# Altium PCB Evaluation Board.PcbDoc (part 6 of 22) (continued)
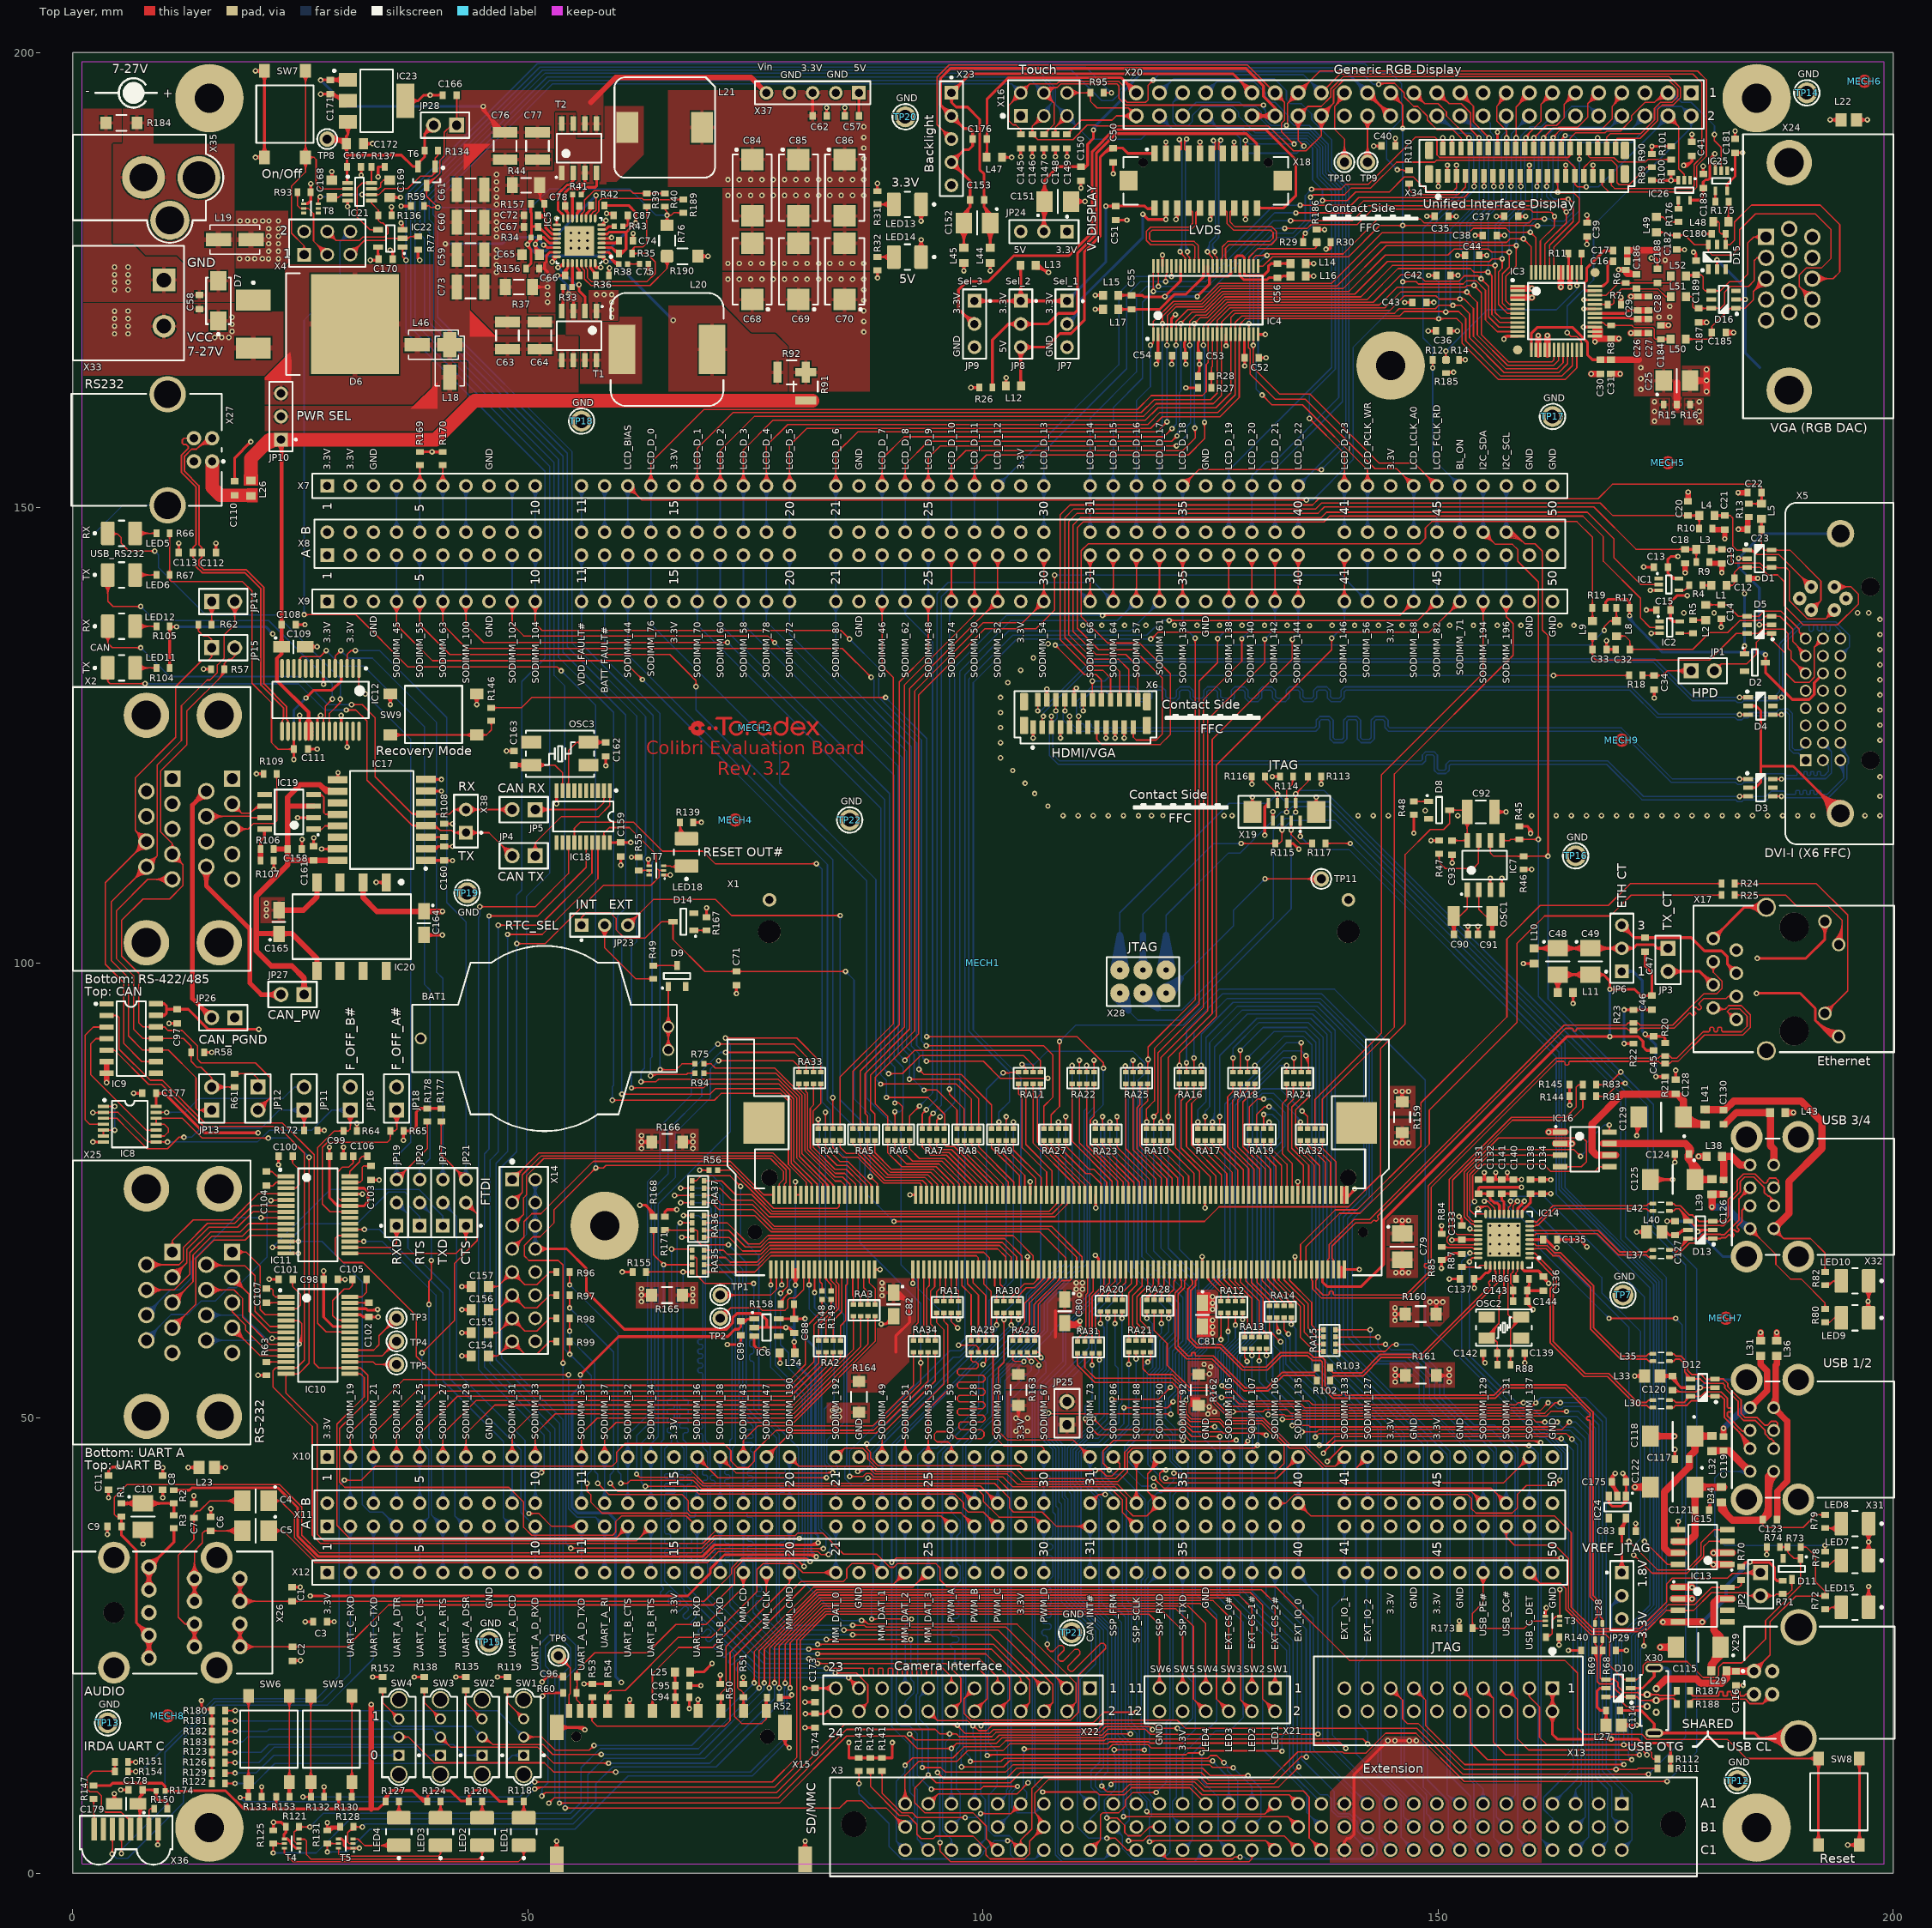
[diagram p0: Top Layer view]
## Nets (pads, with @x,y where several pads share a name; then routed paths per layer and width w, separated by ;. In a path a pad name is that pad's centre, name@x,y a point inside that pad or via, vN(x,y) a via of type N, cw(c..) or ccw(c..) an arc to the next point about the centre after c; other vN are vias at no path point) (continued)
DATA_8: RA14.8 X3.A4 | length 95.3
  Top Layer w0.15: RA14.8@131.334,60.908 cw(c131.036,60.609) 131.458,60.609 cw(c131.88,60.609) RA14.8@131.582,60.908 ; RA14.8@131.458,61.032 131.458,59.592 132.675,58.375 v1(132.7,58.375) ; 132.273,58.777 ccw(c132.7,59.204) v1@132.7,58.6 ; 132.334,58.716 cw(c131.992,58.375) v1@132.475,58.375 ; v1(136.5,47.904) 136.87,48.275 164.1,48.275 v1(164.699,47.676) ; v1@164.474,47.676 ccw(c163.931,47.676) 164.315,48.06 ccw(c164.699,48.444) v1@164.699,47.901
  Bottom Layer w0.15: v1(132.7,58.375) 132.966,58.109 132.966,55.259 136.5,51.725 v1(136.5,47.904) ; v1@136.341,48.063 ccw(c135.956,48.448) 136.5,48.448 ccw(c137.043,48.448) v1@136.659,48.063 ; X3.A4@162.56,7.62 165.3,10.36 165.3,47.075 v1(164.699,47.676) ; X3.A4@162.56,7.995 ccw(c162.56,8.9) 163.2,8.26 ccw(c163.84,7.62) X3.A4@162.935,7.62 ; X3.A4@162.56,8.145 ccw(c162.56,9.412) 163.456,8.516 ccw(c164.352,7.62) X3.A4@163.085,7.62 ; X3.A4@162.56,8.295 ccw(c162.56,9.925) 163.712,8.772 ccw(c164.865,7.62) X3.A4@163.235,7.62 ; v1@164.699,47.451 cw(c164.699,46.908) 165.083,47.292 cw(c165.467,47.676) v1@164.924,47.676
DATA_9: RA14.7 X3.B4 | length 97.2
  Top Layer w0.15: RA14.7@132.134,60.908 cw(c131.836,60.609) 132.258,60.609 cw(c132.68,60.609) RA14.7@132.382,60.908 ; 132.258,59.818 ccw(c132.818,59.818) v1@132.422,59.422 ; 132.258,60.18 ccw(c133.18,60.18) v1@132.528,59.528 ; 132.258,60.542 ccw(c133.542,60.542) v1@132.634,59.634 ; RA14.7@132.258,61.032 132.258,59.692 ; v1@132.275,59.579 ccw(c132.19,59.624) 132.258,59.692 ; v1@132.371,59.675 cw(c132.326,59.76) 132.258,59.692 ; v1(132.475,59.475) 132.258,59.692 ; v1(136.94,47.015) 137.65,47.015 138.61,47.975 162.125,47.975 162.375,47.725 v1(163.525,47.725) ; v1@137.099,46.856 cw(c137.483,46.472) 137.483,47.015 cw(c137.483,47.559) v1@137.099,47.174 ; v1@163.366,47.566 ccw(c162.982,47.182) 162.982,47.725 ccw(c162.982,48.268) v1@163.366,47.884
  Bottom Layer w0.15: v1@132.475,59.25 cw(c132.475,58.707) 132.859,59.091 cw(c133.243,59.475) v1@132.7,59.475 ; v1(132.475,59.475) 133.266,58.684 133.266,55.934 137.338,51.862 137.338,47.413 v1(136.94,47.015) ; v1@136.94,47.24 ccw(c136.94,47.784) 137.324,47.4 ccw(c137.708,47.015) v1@137.165,47.015 ; X3.B4@162.328,5.714 ccw(c162.207,6.045) 162.56,6.045 ; X3.B4@162.38,5.573 ccw(c162.286,5.831) 162.56,5.831 ccw(c162.834,5.831) X3.B4@162.74,5.573 ; X3.B4@162.56,5.08 162.56,6.045 ; X3.B4@162.792,5.714 cw(c162.913,6.045) 162.56,6.045 ; v1@163.525,47.5 cw(c163.525,46.957) 163.909,47.341 cw(c164.293,47.725) v1@163.75,47.725 ; v1(163.525,47.725) 164.85,46.4 164.85,11.601 161.585,8.336 161.585,7.02 162.56,6.045
DATA_10: RA14.6 X3.C4 | length 100.6
  Top Layer w0.15: RA14.6@132.934,60.908 cw(c132.636,60.609) 133.058,60.609 cw(c133.48,60.609) RA14.6@133.182,60.908 ; RA14.6@133.058,61.032 133.058,59.715 133.548,59.225 v1(133.55,59.225) ; 133.163,59.61 ccw(c133.55,59.997) v1@133.55,59.45 ; 133.167,59.606 cw(c132.786,59.225) v1@133.325,59.225 ; v1@137.312,46.126 138.676,47.49 161.07,47.49 v1(161.265,47.295) ; v1@137.38,46.351 ccw(c137.38,46.731) 137.649,46.463 ; v1@137.455,46.126 cw(c137.8,46.126) 137.556,46.37 ; v1@137.605,46.126 cw(c138.312,46.126) 137.812,46.626 ; 160.251,47.49 cw(c160.251,46.281) v1@161.106,47.136 ; 160.613,47.49 cw(c160.613,46.643) v1@161.212,47.242 ; 160.975,47.49 cw(c160.975,47.006) v1@161.318,47.348
  Bottom Layer w0.15: v1@133.391,59.066 cw(c132.584,58.259) 133.725,58.259 ; v1@133.497,59.172 cw(c132.946,58.621) 133.725,58.621 ; v1(133.55,59.225) 133.725,59.05 133.725,56.275 137.719,52.281 137.719,46.533 ; v1@137.312,46.126 137.719,46.533 ; v1@137.38,46.351 ccw(c137.38,46.731) 137.649,46.463 ; v1@137.602,46.165 cw(c138.016,46.236) 137.719,46.533 ; v1@161.106,47.136 cw(c160.648,46.678) 161.295,46.678 ; v1(161.265,47.295) 161.295,47.264 161.295,8.471 161.285,8.461 161.285,3.815 X3.C4@162.56,2.54 ; 161.295,46.825 cw(c161.734,46.825) v1@161.424,47.136 ; X3.C4@161.885,2.54 ccw(c160.255,2.54) 161.408,3.692 ccw(c162.56,4.845) X3.C4@162.56,3.215 ; X3.C4@162.035,2.54 ccw(c160.768,2.54) 161.664,3.436 ccw(c162.56,4.332) X3.C4@162.56,3.065 ; X3.C4@162.185,2.54 ccw(c161.28,2.54) 161.92,3.18 ccw(c162.56,3.82) X3.C4@162.56,2.915
  other v1: 137.38,46.126
DATA_11: RA14.5 X3.A5 | length 91.2
  Top Layer w0.15: RA14.5@133.734,60.908 cw(c133.436,60.609) 133.858,60.609 cw(c134.28,60.609) RA14.5@133.982,60.908 ; v1(133.858,60.3) RA14.5@133.858,61.032 ; v1(137.82,45.237) 137.82,45.23 137.831,45.23 139.566,46.965 v1(159.969,46.965) ; v1@137.82,45.462 ccw(c137.82,46.049) 138.235,45.634 ; v1@138.045,45.237 cw(c138.545,45.237) 138.192,45.591 ; v1@159.81,46.806 ccw(c159.426,46.421) 159.426,46.965 ccw(c159.426,47.508) v1@159.81,47.124
  Bottom Layer w0.15: v1@133.858,60.075 cw(c133.858,59.531) 134.242,59.915 cw(c134.626,60.3) v1@134.083,60.3 ; v1(133.858,60.3) 134.366,59.792 134.366,56.334 138.633,52.067 138.633,46.05 v1(137.82,45.237) ; v1@137.82,45.462 ccw(c137.82,46.006) 138.205,45.622 ccw(c138.589,45.237) v1@138.045,45.237 ; v1@159.969,46.74 cw(c159.969,45.75) 160.669,46.45 ; v1@159.969,46.89 cw(c159.969,46.262) 160.413,46.706 ; v1(159.969,46.965) 160.154,46.965 160.995,46.124 160.995,8.595 ; X3.A5@160.02,7.62 160.995,8.595 ; X3.A5@160.067,7.992 ccw(c160.141,8.583) 160.561,8.162 ; X3.A5@160.085,8.141 ccw(c160.189,8.968) 160.778,8.379 ccw(c161.367,7.79) X3.A5@160.541,7.686 ; X3.A5@160.104,8.29 ccw(c160.237,9.353) 160.995,8.595 ; X3.A5@160.392,7.667 cw(c160.983,7.741) 160.562,8.162 ; X3.A5@160.69,7.704 cw(c161.752,7.838) 160.995,8.595
DATA_12: RA15.8 X3.C5 | length 79.1
  Top Layer w0.15: RA15.8@138.714,57.315 138.718,57.319 144.193,57.319 144.949,58.075 ; RA15.8@138.838,57.191 cw(c139.146,56.883) 139.146,57.319 ; RA15.8@138.838,57.439 ccw(c139.127,57.728) 139.127,57.319 ; v1@145.22,57.94 ccw(c144.949,57.735) 144.949,58.075 ; v1@145.22,58.21 cw(c144.949,58.415) 144.949,58.075 ; v1(145.4,58.075) 144.949,58.075
  Bottom Layer w0.15: v1(145.4,58.075) 147.2,58.075 150.632,54.643 150.632,52.543 153.95,49.225 156.185,49.225 158.755,46.655 158.755,45.192 158.75,45.187 158.75,41.173 158.755,41.168 158.755,40.112 158.75,40.107 158.75,38.633 158.755,38.628 158.755,37.572 158.75,37.567 158.75,33.553 158.755,33.548 158.755,32.492 158.75,32.487 158.75,20.853 158.755,20.848 158.755,19.792 158.75,19.787 158.75,18.313 158.755,18.308 158.755,17.252 158.75,17.247 158.75,3.81 X3.C5@160.02,2.54 ; v1@145.559,57.916 cw(c145.943,57.532) 145.943,58.075 cw(c145.943,58.618) v1@145.559,58.234 ; X3.C5@159.345,2.54 ccw(c157.715,2.54) 158.868,3.692 ccw(c160.02,4.845) X3.C5@160.02,3.215 ; X3.C5@159.495,2.54 ccw(c158.228,2.54) 159.124,3.436 ccw(c160.02,4.332) X3.C5@160.02,3.065 ; X3.C5@159.645,2.54 ccw(c158.74,2.54) 159.38,3.18 ccw(c160.02,3.82) X3.C5@160.02,2.915
DATA_13: RA15.7 X3.A6 | length 71.7
  Top Layer w0.15: RA15.7@138.714,58.09 v1(144.221,58.09) ; RA15.7@138.838,57.941 cw(c139.197,57.582) 139.197,58.09 ; RA15.7@138.838,58.189 ccw(c139.076,58.427) 139.076,58.09 ; v1@144.062,57.931 ccw(c143.678,57.547) 143.678,58.09 ccw(c143.678,58.633) v1@144.062,58.249
  Bottom Layer w0.15: v1@144.221,57.865 cw(c144.221,57.322) 144.605,57.706 cw(c144.989,58.09) v1@144.446,58.09 ; v1(144.221,58.09) 144.836,57.475 147.104,57.475 150.167,54.412 150.167,52.308 153.85,48.625 155.954,48.625 158.455,46.124 158.455,45.316 158.45,45.311 158.45,41.049 158.455,41.044 158.455,40.236 158.45,40.231 158.45,38.509 158.455,38.504 158.455,37.696 158.45,37.691 158.45,33.429 158.455,33.424 158.455,32.616 158.45,32.611 158.45,20.729 158.455,20.724 158.455,19.916 158.45,19.911 158.45,18.189 158.455,18.184 158.455,17.376 158.45,17.371 158.45,8.59 ; X3.A6@157.48,7.62 158.45,8.59 ; X3.A6@157.528,7.992 ccw(c157.604,8.574) 158.019,8.159 ccw(c158.434,7.744) X3.A6@157.852,7.668 ; X3.A6@157.548,8.141 ccw(c157.653,8.955) 158.234,8.374 ccw(c158.815,7.793) X3.A6@158.001,7.688 ; X3.A6@157.567,8.289 ccw(c157.703,9.337) 158.45,8.59 ; X3.A6@158.149,7.707 cw(c159.197,7.843) 158.45,8.59
DATA_14: RA15.6 X3.B6 | length 74.4
  Top Layer w0.15: RA15.6@138.714,58.89 v1(143.383,58.89) ; RA15.6@138.838,58.741 cw(c139.197,58.382) 139.197,58.89 ; RA15.6@138.838,58.989 ccw(c139.076,59.227) 139.076,58.89 ; v1@143.224,58.731 ccw(c142.84,58.347) 142.84,58.89 ccw(c142.84,59.433) v1@143.224,59.049
  Bottom Layer w0.15: v1@143.224,58.731 cw(c142.84,58.347) 143.383,58.347 cw(c143.926,58.347) v1@143.542,58.731 ; v1(143.383,58.89) 143.383,57.8 144.083,57.1 146.837,57.1 149.608,54.328 149.608,52.242 153.775,48.075 154.965,48.075 156.4,46.64 156.4,6.16 ; X3.B6@156.806,5.112 ccw(c155.417,5.177) 156.4,6.16 ; X3.B6@156.956,5.105 ccw(c155.875,5.155) 156.64,5.92 ccw(c157.405,6.685) X3.B6@157.455,5.604 ; X3.B6@157.105,5.098 ccw(c156.334,5.134) 156.88,5.68 ccw(c157.426,6.226) X3.B6@157.462,5.455 ; X3.B6@157.448,5.754 cw(c157.383,7.143) 156.4,6.16 ; X3.B6@157.48,5.08 156.4,6.16
DATA_15: RA15.5 X3.C6 | length 77.9
  Top Layer w0.15: RA15.5@138.714,59.69 v1(142.545,59.69) ; RA15.5@138.838,59.541 cw(c139.197,59.182) 139.197,59.69 ; RA15.5@138.838,59.789 ccw(c139.076,60.027) 139.076,59.69 ; v1@142.386,59.531 ccw(c142.002,59.147) 142.002,59.69 ccw(c142.002,60.233) v1@142.386,59.849
  Bottom Layer w0.15: v1@142.386,59.531 cw(c142.002,59.147) 142.545,59.147 cw(c143.088,59.147) v1@142.704,59.531 ; v1(142.545,59.69) 142.545,57.887 143.756,56.675 146.576,56.675 149.04,54.211 149.04,52.135 153.6,47.575 154.8,47.575 156.1,46.275 156.1,3.92 X3.C6@157.48,2.54 ; X3.C6@156.805,2.54 ccw(c155.175,2.54) 156.328,3.692 ccw(c157.48,4.845) X3.C6@157.48,3.215 ; X3.C6@156.955,2.54 ccw(c155.688,2.54) 156.584,3.436 ccw(c157.48,4.332) X3.C6@157.48,3.065 ; X3.C6@157.105,2.54 ccw(c156.2,2.54) 156.84,3.18 ccw(c157.48,3.82) X3.C6@157.48,2.915
DATA_16: RA16.6 X3.A7 | length 129.3
  Top Layer w0.15: v1@122.193,88.868 cw(c121.778,88.453) 122.364,88.453 ; RA16.6@122.241,88.114 ccw(c121.942,88.413) 122.364,88.413 ccw(c122.787,88.413) RA16.6@122.488,88.114 ; RA16.6@122.364,87.99 v1@122.364,89.027 ; 122.364,88.514 cw(c122.865,88.514) v1@122.511,88.868
  Bottom Layer w0.15: v1@122.193,89.186 ccw(c121.809,89.57) 122.352,89.57 ccw(c122.895,89.57) v1@122.511,89.186 ; v1(122.352,89.027) 122.352,92.652 126.3,96.6 137.2,96.6 142.723,91.077 142.723,73.948 140.55,71.775 140.55,59.175 143.475,56.25 146.375,56.25 148.45,54.175 148.45,51.67 153.746,46.374 153.746,10.434 154.94,9.24 ; X3.A7@154.465,8.099 ccw(c153.333,9.24) 154.94,9.24 ; X3.A7@154.57,7.993 ccw(c153.69,8.88) 154.94,8.88 ccw(c156.19,8.88) X3.A7@155.31,7.993 ; X3.A7@154.676,7.886 ccw(c154.047,8.52) 154.94,8.52 ccw(c155.833,8.52) X3.A7@155.204,7.886 ; X3.A7@154.94,7.62 154.94,9.24 ; X3.A7@155.415,8.099 cw(c156.547,9.24) 154.94,9.24
DATA_17: RA16.7 X3.B7 | length 129.3
  Top Layer w0.15: v1@123.005,89.401 cw(c122.621,89.017) 123.164,89.017 cw(c123.708,89.017) v1@123.323,89.401 ; RA16.7@123.041,88.114 ccw(c122.742,88.413) 123.164,88.413 ccw(c123.587,88.413) RA16.7@123.288,88.114 ; RA16.7@123.164,87.99 v1(123.164,89.56)
  Bottom Layer w0.15: v1@123.005,89.719 ccw(c122.621,90.104) 123.164,90.104 ccw(c123.708,90.104) v1@123.323,89.719 ; v1(123.164,89.56) 123.164,92.439 126.825,96.1 137.05,96.1 142.423,90.727 142.423,74.273 140.05,71.9 140.05,58.9 143,55.95 146.025,55.95 147.902,54.073 147.902,51.794 153.446,46.25 153.446,10.31 153.924,9.832 153.924,6.096 ; X3.B7@154.268,5.143 ccw(c153.081,5.253) 153.924,6.096 ; X3.B7@154.417,5.129 ccw(c153.494,5.215) 154.15,5.87 ccw(c154.805,6.526) X3.B7@154.891,5.603 ; X3.B7@154.567,5.115 ccw(c153.907,5.176) 154.376,5.644 ccw(c154.844,6.113) X3.B7@154.905,5.453 ; X3.B7@154.877,5.752 cw(c154.767,6.939) 153.924,6.096 ; X3.B7@154.94,5.08 153.924,6.096
DATA_18: RA16.8 X3.C7 | length 128.8
  Top Layer w0.15: RA16.8@123.841,88.114 ccw(c123.542,88.413) 123.964,88.413 ccw(c124.387,88.413) RA16.8@124.088,88.114 ; RA16.8@123.964,87.99 v1(123.964,88.722)
  Bottom Layer w0.15: v1@123.805,88.881 ccw(c123.421,89.265) 123.964,89.265 ccw(c124.508,89.265) v1@124.123,88.881 ; v1(123.964,88.722) 123.964,92.164 127.45,95.65 136.925,95.65 142.123,90.452 142.123,74.598 139.575,72.05 139.575,58.075 151.308,46.342 151.308,10.693 153.568,8.433 153.568,3.912 X3.C7@154.94,2.54 ; X3.C7@154.265,2.54 ccw(c152.635,2.54) 153.788,3.692 ccw(c154.94,4.845) X3.C7@154.94,3.215 ; X3.C7@154.415,2.54 ccw(c153.148,2.54) 154.044,3.436 ccw(c154.94,4.332) X3.C7@154.94,3.065 ; X3.C7@154.565,2.54 ccw(c153.66,2.54) 154.3,3.18 ccw(c154.94,3.82) X3.C7@154.94,2.915
DATA_19: RA17.5 X3.A8 | length 127.1
  Top Layer w0.15: RA17.5@123.473,81.916 ccw(c123.174,82.215) 123.596,82.215 ccw(c124.019,82.215) RA17.5@123.72,81.916 ; RA17.5@123.596,81.793 v1(123.596,82.525)
  Bottom Layer w0.15: v1@123.437,82.684 ccw(c123.053,83.068) 123.596,83.068 ccw(c124.14,83.068) v1@123.755,82.684 ; v1(123.596,82.525) 123.596,83.845 124.489,84.738 124.489,91.789 127.95,95.25 136.7,95.25 141.823,90.127 141.823,74.886 139.125,72.188 139.125,57.85 150.982,45.993 150.982,8.631 ; 151.172,8.442 ccw(c152.002,9.272) X3.A8@152.277,8.13 ; 151.361,8.253 ccw(c152.076,8.967) X3.A8@152.312,7.985 ; 151.535,8.079 cw(c151.077,7.62) X3.A8@151.725,7.62 ; 151.55,8.063 ccw(c152.149,8.662) X3.A8@152.347,7.839 ; X3.A8@152.242,8.276 cw(c151.929,9.578) 150.982,8.631 ; X3.A8@152.4,7.62 151.994,7.62 150.982,8.631
DATA_20: RA17.6 X3.C8 | length 129.9
  Top Layer w0.15: v1@124.237,82.95 cw(c123.853,82.566) 124.396,82.566 cw(c124.94,82.566) v1@124.555,82.95 ; RA17.6@124.273,81.916 ccw(c123.974,82.215) 124.396,82.215 ccw(c124.819,82.215) RA17.6@124.52,81.916 ; RA17.6@124.396,81.793 v1(124.396,83.109)
  Bottom Layer w0.15: v1@124.237,83.268 ccw(c123.853,83.652) 124.396,83.652 ccw(c124.94,83.652) v1@124.555,83.268 ; v1(124.396,83.109) 124.396,83.696 124.892,84.192 124.892,91.242 128.475,94.825 136.447,94.825 138.675,92.597 138.675,57.525 148.819,47.381 148.819,10.256 151.125,7.95 151.125,3.815 X3.C8@152.4,2.54 ; X3.C8@151.725,2.54 ccw(c150.095,2.54) 151.248,3.692 ccw(c152.4,4.845) X3.C8@152.4,3.215 ; X3.C8@151.875,2.54 ccw(c150.608,2.54) 151.504,3.436 ccw(c152.4,4.332) X3.C8@152.4,3.065 ; X3.C8@152.025,2.54 ccw(c151.12,2.54) 151.76,3.18 ccw(c152.4,3.82) X3.C8@152.4,2.915
DATA_21: RA17.7 X3.A9 | length 116.7
  Top Layer w0.15: RA17.7@125.073,81.916 ccw(c124.774,82.215) 125.196,82.215 ccw(c125.619,82.215) RA17.7@125.32,81.916 ; RA17.7@125.196,81.793 v1(125.196,82.525)
  Bottom Layer w0.15: v1@125.037,82.684 ccw(c124.101,83.62) 125.425,83.62 ; v1@125.143,82.578 ccw(c124.463,83.258) 125.425,83.258 ; v1(125.196,82.525) 125.425,82.753 125.425,90.75 129.05,94.375 136.175,94.375 138.25,92.3 138.25,57.225 148.361,47.114 148.361,9.431 149.86,7.933 X3.A9@149.86,7.62 ; v1@125.249,82.472 ccw(c124.826,82.895) 125.425,82.895
DATA_22: RA17.8 X3.B9 | length 122.1
  Top Layer w0.15: v1@125.837,82.95 cw(c125.453,82.566) 125.996,82.566 cw(c126.54,82.566) v1@126.155,82.95 ; RA17.8@125.873,81.916 ccw(c125.574,82.215) 125.996,82.215 ccw(c126.419,82.215) RA17.8@126.12,81.916 ; RA17.8@125.996,81.793 v1(125.996,83.109)
  Bottom Layer w0.15: v1@125.837,83.268 ccw(c125.453,83.652) 125.996,83.652 ccw(c126.54,83.652) v1@126.155,83.268 ; v1(125.996,83.109) 125.996,89.821 130.1,93.925 136,93.925 137.8,92.125 137.8,56.775 146.248,48.327 146.248,11.12 148.595,8.773 148.725,8.643 148.725,6.571 ; 148.938,6.358 cw(c147.932,5.352) X3.B9@149.34,5.153 ; 149.15,6.145 cw(c148.304,5.3) X3.B9@149.489,5.132 ; X3.B9@149.192,5.174 ccw(c147.56,5.405) 148.725,6.571 ; 149.315,5.981 ccw(c149.86,6.526) X3.B9@149.86,5.755 ; 149.363,5.933 cw(c148.677,5.247) X3.B9@149.637,5.111 ; X3.B9@149.86,5.08 149.86,5.436 148.725,6.571
DATA_23: RA18.5 X3.C9 | length 117.1
  Top Layer w0.15: v1@127.298,89.401 cw(c126.914,89.017) 127.457,89.017 cw(c128,89.017) v1@127.616,89.401 ; RA18.5@127.333,88.114 ccw(c127.035,88.413) 127.457,88.413 ccw(c127.88,88.413) RA18.5@127.581,88.114 ; RA18.5@127.457,87.99 v1(127.457,89.56)
  Bottom Layer w0.15: v1@127.298,89.719 ccw(c126.914,90.104) 127.457,90.104 ccw(c128,90.104) v1@127.616,89.719 ; v1(127.457,89.56) 127.457,90.607 130.275,93.425 135.75,93.425 137.35,91.825 137.35,56.5 145.948,47.902 145.948,10.719 148.425,8.242 148.425,3.975 X3.C9@149.86,2.54 ; X3.C9@149.185,2.54 ccw(c147.555,2.54) 148.708,3.692 ccw(c149.86,4.845) X3.C9@149.86,3.215 ; X3.C9@149.335,2.54 ccw(c148.068,2.54) 148.964,3.436 ccw(c149.86,4.332) X3.C9@149.86,3.065 ; X3.C9@149.485,2.54 ccw(c148.58,2.54) 149.22,3.18 ccw(c149.86,3.82) X3.C9@149.86,2.915
DATA_24: RA18.6 X3.A10 | length 103.3
  Top Layer w0.15: v1@128.098,90.24 cw(c127.714,89.855) 128.257,89.855 cw(c128.8,89.855) v1@128.416,90.24 ; RA18.6@128.133,88.114 ccw(c127.835,88.413) 128.257,88.413 ccw(c128.68,88.413) RA18.6@128.381,88.114 ; RA18.6@128.257,87.99 v1(128.257,90.399)
  Bottom Layer w0.15: v1(128.257,90.399) 130.759,92.9 135.6,92.9 136.95,91.55 136.95,56.099 143.708,49.341 143.708,11.232 X3.A10@147.32,7.62 ; v1@128.257,90.624 ccw(c128.257,91.167) 128.641,90.783 ccw(c129.025,90.399) v1@128.482,90.399
DATA_25: RA18.7 X3.B10 | length 109.3
  Top Layer w0.15: v1@128.898,89.401 cw(c128.514,89.017) 129.057,89.017 cw(c129.6,89.017) v1@129.216,89.401 ; RA18.7@128.933,88.114 ccw(c128.635,88.413) 129.057,88.413 ccw(c129.48,88.413) RA18.7@129.181,88.114 ; RA18.7@129.057,87.99 v1(129.057,89.56)
  Bottom Layer w0.15: v1(129.057,89.56) 131.953,92.456 135.369,92.456 136.55,91.275 136.55,55.65 143.408,48.792 143.408,11.107 146.225,8.291 146.225,6.175 ; v1@129.057,89.785 ccw(c129.057,90.329) 129.441,89.945 ccw(c129.825,89.56) v1@129.282,89.56 ; X3.B10@146.645,5.105 ccw(c145.208,5.158) 146.225,6.175 ; X3.B10@146.795,5.099 ccw(c145.677,5.14) 146.468,5.932 ccw(c147.26,6.723) X3.B10@147.301,5.605 ; X3.B10@146.945,5.094 ccw(c146.147,5.123) 146.712,5.688 ccw(c147.277,6.253) X3.B10@147.306,5.455 ; X3.B10@147.295,5.755 cw(c147.242,7.192) 146.225,6.175 ; X3.B10@147.32,5.08 146.225,6.175
DATA_26: RA18.8 X3.C10 | length 109.3
  Top Layer w0.15: RA18.8@129.733,88.114 ccw(c129.435,88.413) 129.857,88.413 ccw(c130.28,88.413) RA18.8@129.981,88.114 ; RA18.8@129.857,87.99 v1(129.857,88.722)
  Bottom Layer w0.15: v1(129.857,88.722) 133.085,91.95 135.175,91.95 136.125,91 136.125,55.35 140.965,50.51 140.965,13.126 145.925,8.166 145.925,3.935 X3.C10@147.32,2.54 ; v1@129.857,88.947 ccw(c129.857,89.49) 130.241,89.106 ccw(c130.625,88.722) v1@130.082,88.722 ; X3.C10@146.645,2.54 ccw(c145.015,2.54) 146.168,3.692 ccw(c147.32,4.845) X3.C10@147.32,3.215 ; X3.C10@146.795,2.54 ccw(c145.528,2.54) 146.424,3.436 ccw(c147.32,4.332) X3.C10@147.32,3.065 ; X3.C10@146.945,2.54 ccw(c146.04,2.54) 146.68,3.18 ccw(c147.32,3.82) X3.C10@147.32,2.915
DATA_27: RA19.5 X3.A11 | length 97.4
  Top Layer w0.15: RA19.5@129.111,81.916 ccw(c128.813,82.215) 129.235,82.215 ccw(c129.658,82.215) RA19.5@129.359,81.916 ; RA19.5@129.235,81.793 129.235,84.15 130.124,85.039 v1(130.835,85.039) ; v1@130.676,84.88 ccw(c130.292,84.496) 130.292,85.039 ccw(c130.292,85.582) v1@130.676,85.198
  Bottom Layer w0.15: v1(130.835,85.039) 131.699,85.039 133.172,83.566 133.172,79.847 131.95,78.625 131.95,57.984 132.613,57.32 132.613,54.662 135.915,51.36 135.915,46.33 137.85,44.395 137.85,14.55 X3.A11@144.78,7.62 ; v1@130.994,84.88 cw(c131.378,84.496) 131.378,85.039 cw(c131.378,85.582) v1@130.994,85.198 ; X3.A11@144.105,7.62 ccw(c142.475,7.62) 143.628,8.772 ccw(c144.78,9.925) X3.A11@144.78,8.295 ; X3.A11@144.255,7.62 ccw(c142.988,7.62) 143.884,8.516 ccw(c144.78,9.412) X3.A11@144.78,8.145 ; X3.A11@144.405,7.62 ccw(c143.5,7.62) 144.14,8.26 ccw(c144.78,8.9) X3.A11@144.78,7.995
DATA_28: RA19.6 X3.C11 | length 101.1
  Top Layer w0.15: RA19.6@129.911,81.916 ccw(c129.613,82.215) 130.035,82.215 ccw(c130.458,82.215) RA19.6@130.159,81.916 ; RA19.6@130.035,81.793 130.035,83.305 130.93,84.2 ; v1@131.252,84.049 ccw(c130.93,83.781) 130.93,84.2 ; v1@131.259,84.345 cw(c130.93,84.646) 130.93,84.2 ; v1@131.4,84.2 130.93,84.2
  Bottom Layer w0.15: v1@131.425,83.968 cw(c131.425,82.743) 132.291,83.609 ; v1@131.425,84.118 cw(c131.425,83.255) 132.035,83.865 ; v1(131.425,84.193) 131.707,84.193 132.796,83.104 132.796,80.346 131.475,79.025 131.475,58.034 131.665,57.844 ; v1@131.425,84.268 cw(c131.425,83.768) 131.779,84.121 ; 131.665,57.844 131.825,57.684 131.825,54.425 135.595,50.655 135.595,46.152 137.329,44.417 137.329,14.436 143.55,8.215 143.55,3.77 X3.C11@144.78,2.54 ; X3.C11@144.105,2.54 ccw(c142.475,2.54) 143.628,3.692 ccw(c144.78,4.845) X3.C11@144.78,3.215 ; X3.C11@144.255,2.54 ccw(c142.988,2.54) 143.884,3.436 ccw(c144.78,4.332) X3.C11@144.78,3.065 ; X3.C11@144.405,2.54 ccw(c143.5,2.54) 144.14,3.18 ccw(c144.78,3.82) X3.C11@144.78,2.915
DATA_29: RA19.7 X3.A12 | length 94.5
  Top Layer w0.15: v1@130.676,83.187 cw(c130.292,82.803) 130.835,82.803 cw(c131.378,82.803) v1@130.994,83.187 ; RA19.7@130.711,81.916 ccw(c130.413,82.215) 130.835,82.215 ccw(c131.258,82.215) RA19.7@130.959,81.916 ; RA19.7@130.835,81.793 v1@130.835,83.363
  Bottom Layer w0.15: v1@130.835,83.363 131.762,83.363 132.496,82.629 132.496,80.846 131.025,79.375 131.025,59.531 128.215,56.721 128.215,52.61 133.355,47.47 133.355,47.443 133.355,30.945 136.275,28.025 136.275,13.585 X3.A12@142.24,7.62 ; v1@130.994,83.187 cw(c131.418,82.764) 131.418,83.363 ; v1@130.994,83.505 ccw(c131.339,83.85) 131.339,83.363 ; X3.A12@141.565,7.62 ccw(c139.935,7.62) 141.088,8.772 ccw(c142.24,9.925) X3.A12@142.24,8.295 ; X3.A12@141.715,7.62 ccw(c140.448,7.62) 141.344,8.516 ccw(c142.24,9.412) X3.A12@142.24,8.145 ; X3.A12@141.865,7.62 ccw(c140.96,7.62) 141.6,8.26 ccw(c142.24,8.9) X3.A12@142.24,7.995
  other v1: 130.835,83.346
DATA_30: RA19.8 X3.B12 | length 93.5
  Top Layer w0.15: v1(131.425,82.5) 131.635,82.29 RA19.8@131.635,81.793 ; v1@131.461,82.566 cw(c131.298,82.271) 131.635,82.271 ; RA19.8@131.511,81.916 ccw(c131.213,82.215) 131.635,82.215 ccw(c132.058,82.215) RA19.8@131.759,81.916
  Bottom Layer w0.15: v1@131.2,82.5 cw(c130.657,82.5) 131.041,82.116 cw(c131.425,81.732) v1@131.425,82.275 ; v1(131.425,82.5) 130.55,81.625 130.55,59.48 127.915,56.845 127.915,52.486 133.055,47.346 133.055,30.32 135.925,27.45 135.925,13.345 140.675,8.595 140.675,6.645 X3.B12@142.24,5.08 ; X3.B12@141.565,5.08 ccw(c139.935,5.08) 141.088,6.232 ccw(c142.24,7.385) X3.B12@142.24,5.755 ; X3.B12@141.715,5.08 ccw(c140.448,5.08) 141.344,5.976 ccw(c142.24,6.872) X3.B12@142.24,5.605 ; X3.B12@141.865,5.08 ccw(c140.96,5.08) 141.6,5.72 ccw(c142.24,6.36) X3.B12@142.24,5.455
DATA_31: RA24.5 X3.C12 | length 105.1
  Top Layer w0.15: RA24.5@133.226,88.114 ccw(c132.928,88.413) 133.35,88.413 ccw(c133.772,88.413) RA24.5@133.474,88.114 ; RA24.5@133.35,87.99 v1(133.35,88.722)
  Bottom Layer w0.15: v1@133.191,88.563 ccw(c132.807,88.179) 132.807,88.722 ccw(c132.807,89.265) v1@133.191,88.881 ; v1(133.35,88.722) 132.622,88.722 129.049,85.149 129.049,59.252 126.752,56.955 126.752,52.35 128.503,50.598 128.503,31.072 134.075,25.5 134.075,11.563 134.171,11.467 137.043,8.595 137.855,8.595 138.3,8.15 138.3,6.876 138.951,6.225 140.125,6.225 140.8,5.55 140.8,3.98 X3.C12@142.24,2.54 ; X3.C12@141.565,2.54 ccw(c139.935,2.54) 141.088,3.692 ccw(c142.24,4.845) X3.C12@142.24,3.215 ; X3.C12@141.715,2.54 ccw(c140.448,2.54) 141.344,3.436 ccw(c142.24,4.332) X3.C12@142.24,3.065 ; X3.C12@141.865,2.54 ccw(c140.96,2.54) 141.6,3.18 ccw(c142.24,3.82) X3.C12@142.24,2.915
DDC_CLK: C33.1 D5.6 L9.2 X5.6 | length 41.1
  Top Layer w0.15: L9.2@166.693,135.626 cw(c166.078,135.012) 166.948,135.012 cw(c167.817,135.012) L9.2@167.202,135.626 ; C33.1@166.753,134.166 cw(c166.284,133.696) 166.948,133.696 cw(c167.611,133.696) C33.1@167.142,134.166 ; C33.1@166.753,134.704 ccw(c166.284,135.174) 166.948,135.174 ccw(c167.611,135.174) C33.1@167.142,134.704 ; L9.2@166.799,135.733 cw(c166.441,135.374) 166.948,135.374 cw(c167.455,135.374) L9.2@167.096,135.733 ; C33.1@166.948,134.435 166.948,133.652 167.325,133.275 179.825,133.275 182.737,136.187 D5.6@183.941,136.187 185.165,136.187 185.64,136.662 187.963,136.662 188.45,136.175 188.45,134.55 188.775,134.225 188.775,133.403 X5.6@190.37,131.808 ; C33.1@166.948,134.46 L9.2@166.948,135.881 L9.2@166.948,135.946 ; D5.6@183.542,136.063 ccw(c183.244,135.764) 183.244,136.187 ccw(c183.244,136.609) D5.6@183.542,136.31 ; D5.6@184.34,136.063 cw(c184.638,135.764) 184.638,136.187 cw(c184.638,136.609) D5.6@184.34,136.31 ; X5.6@189.795,131.808 ccw(c188.407,131.808) 189.388,132.789 ccw(c190.37,133.771) X5.6@190.37,132.383 ; X5.6@189.945,131.808 ccw(c188.919,131.808) 189.644,132.533 ccw(c190.37,133.259) X5.6@190.37,132.233 ; X5.6@190.095,131.808 ccw(c189.431,131.808) 189.901,132.277 ccw(c190.37,132.746) X5.6@190.37,132.083
DDC_CLK_T: L9.1 R19.2 X6.15 | length 109.4
  Top Layer w0.15: X6.15@112.343,125.282 cw(c111.959,124.898) 112.502,124.898 cw(c113.045,124.898) X6.15@112.661,125.282 ; X6.15@112.502,125.891 112.502,124.548 113.05,124 119.475,124 120.575,125.1 120.575,131.75 117.2,135.125 113.7,135.125 110.785,138.04 110.785,145.285 111.55,146.05 148,146.05 148.6,146.65 148.6,147.775 149.3,148.475 165.234,148.475 166.948,146.762 166.948,139.032 R19.2@166.948,139.007 L9.1@166.948,137.561 L9.1@166.948,137.546 ; L9.1@166.693,137.816 ccw(c166.078,138.43) 166.948,138.43 ccw(c167.817,138.43) L9.1@167.202,137.816 ; R19.2@166.771,138.73 cw(c166.344,138.303) 166.948,138.303 cw(c167.551,138.303) R19.2@167.124,138.73 ; R19.2@166.771,139.284 ccw(c166.344,139.711) 166.948,139.711 ccw(c167.551,139.711) R19.2@167.124,139.284 ; L9.1@166.799,137.71 ccw(c166.441,138.068) 166.948,138.068 ccw(c167.455,138.068) L9.1@167.096,137.71
DDC_DATA: C32.1 D5.3 L8.2 X5.7 | length 36.8
  Top Layer w0.15: L8.2@169.579,135.921 170.522,135.921 ; L8.2@169.802,135.743 cw(c170.192,135.404) 170.192,135.921 ; L8.2@169.898,136.136 ccw(c170.416,136.654) 170.416,135.921 ; L8.2@169.915,135.645 cw(c170.521,135.118) 170.521,135.921 ; C32.1@170.87,134.435 177.985,134.435 179.825,136.275 181.813,136.275 183.15,137.612 185.023,137.612 185.079,137.667 185.546,137.667 185.965,138.087 ; C32.1@170.876,134.704 ccw(c170.407,135.174) 171.071,135.174 ccw(c171.734,135.174) C32.1@171.265,134.704 ; C32.1@171.071,134.435 171.071,135.372 170.522,135.921 ; C32.1@171.265,134.241 cw(c171.734,133.771) 171.734,134.435 cw(c171.734,135.099) C32.1@171.265,134.629 ; D5.3@186.238,137.968 ccw(c185.965,137.715) 185.965,138.087 ; D5.3@186.238,138.206 cw(c185.965,138.458) 185.965,138.087 ; D5.3@187.04,137.963 cw(c187.339,137.664) 187.339,138.087 cw(c187.339,138.509) D5.3@187.04,138.21 ; 189.238,135.062 cw(c187.894,133.718) X5.7@189.795,133.718 ; 189.494,134.806 cw(c188.406,133.718) X5.7@189.945,133.718 ; 189.751,134.549 ccw(c190.37,135.168) X5.7@190.37,134.293 ; 189.75,134.55 cw(c188.918,133.718) X5.7@190.095,133.718 ; 190.006,134.294 cw(c189.43,133.718) X5.7@190.245,133.718 ; 190.007,134.293 ccw(c190.37,134.656) X5.7@190.37,134.143 ; X5.7@190.37,133.757 X5.7@190.37,133.718 190.37,133.93 188.975,135.325 188.975,136.652 187.54,138.087 D5.3@186.641,138.087 185.965,138.087
DDC_DATA_T: L8.1 R17.2 X6.16 | length 81.3
  Top Layer w0.15: v1@107.925,134.675 cw(c107.925,134.132) 108.309,134.516 cw(c108.693,134.9) v1@108.15,134.9 ; v1(107.925,134.9) 111.15,131.675 112.425,131.675 113.002,131.098 X6.16@113.002,128.891 ; X6.16@112.843,129.501 ccw(c112.459,129.885) 113.002,129.885 ccw(c113.545,129.885) X6.16@113.161,129.501 ; v1@168.124,136.711 ccw(c167.961,136.95) 168.25,136.95 ; v1(168.25,136.525) 168.25,136.95 ; v1@168.376,136.711 cw(c168.539,136.95) 168.25,136.95 ; L8.1@169.209,137.369 ccw(c168.861,137.15) 168.861,137.561 ; L8.1@169.209,137.753 cw(c168.861,137.972) 168.861,137.561 ; L8.1@169.324,137.816 ccw(c168.709,138.43) 169.579,138.43 ccw(c170.448,138.43) L8.1@169.833,137.816 ; R17.2@169.402,138.73 cw(c168.975,138.303) 169.579,138.303 cw(c170.182,138.303) R17.2@169.755,138.73 ; L8.1@169.43,137.71 ccw(c169.072,138.068) 169.579,138.068 ccw(c170.086,138.068) L8.1@169.727,137.71 ; L8.1@169.579,137.521 L8.1@169.579,137.561 ; R17.2@169.579,139.007 L8.1@169.579,137.561 ; 168.25,136.95 168.861,137.561 ; 168.861,137.561 L8.1@169.579,137.561
  Bottom Layer w0.15: v1(107.925,134.9) 166.625,134.9 v1(168.25,136.525) ; v1@108.084,134.741 cw(c108.468,134.357) 108.468,134.9 cw(c108.468,135.443) v1@108.084,135.059 ; v1@168.025,136.525 cw(c167.482,136.525) 167.866,136.141 cw(c168.25,135.757) v1@168.25,136.3
DE: IC8.10 IC9.4 | length 16.3
  Top Layer w0.15: IC9.4@3.071,91.52 ccw(c2.687,91.136) 2.687,91.679 ccw(c2.687,92.222) IC9.4@3.071,91.838 ; IC9.4@3.705,91.679 2.529,91.679 1.975,91.125 1.975,87.7 8.05,81.625 IC8.10@9.144,81.625 ; IC8.10@8.62,81.551 ccw(c8.44,81.371) 8.44,81.625 ccw(c8.44,81.878) IC8.10@8.62,81.699